# KiCad board MAXI030.kicad_pcb (continued)
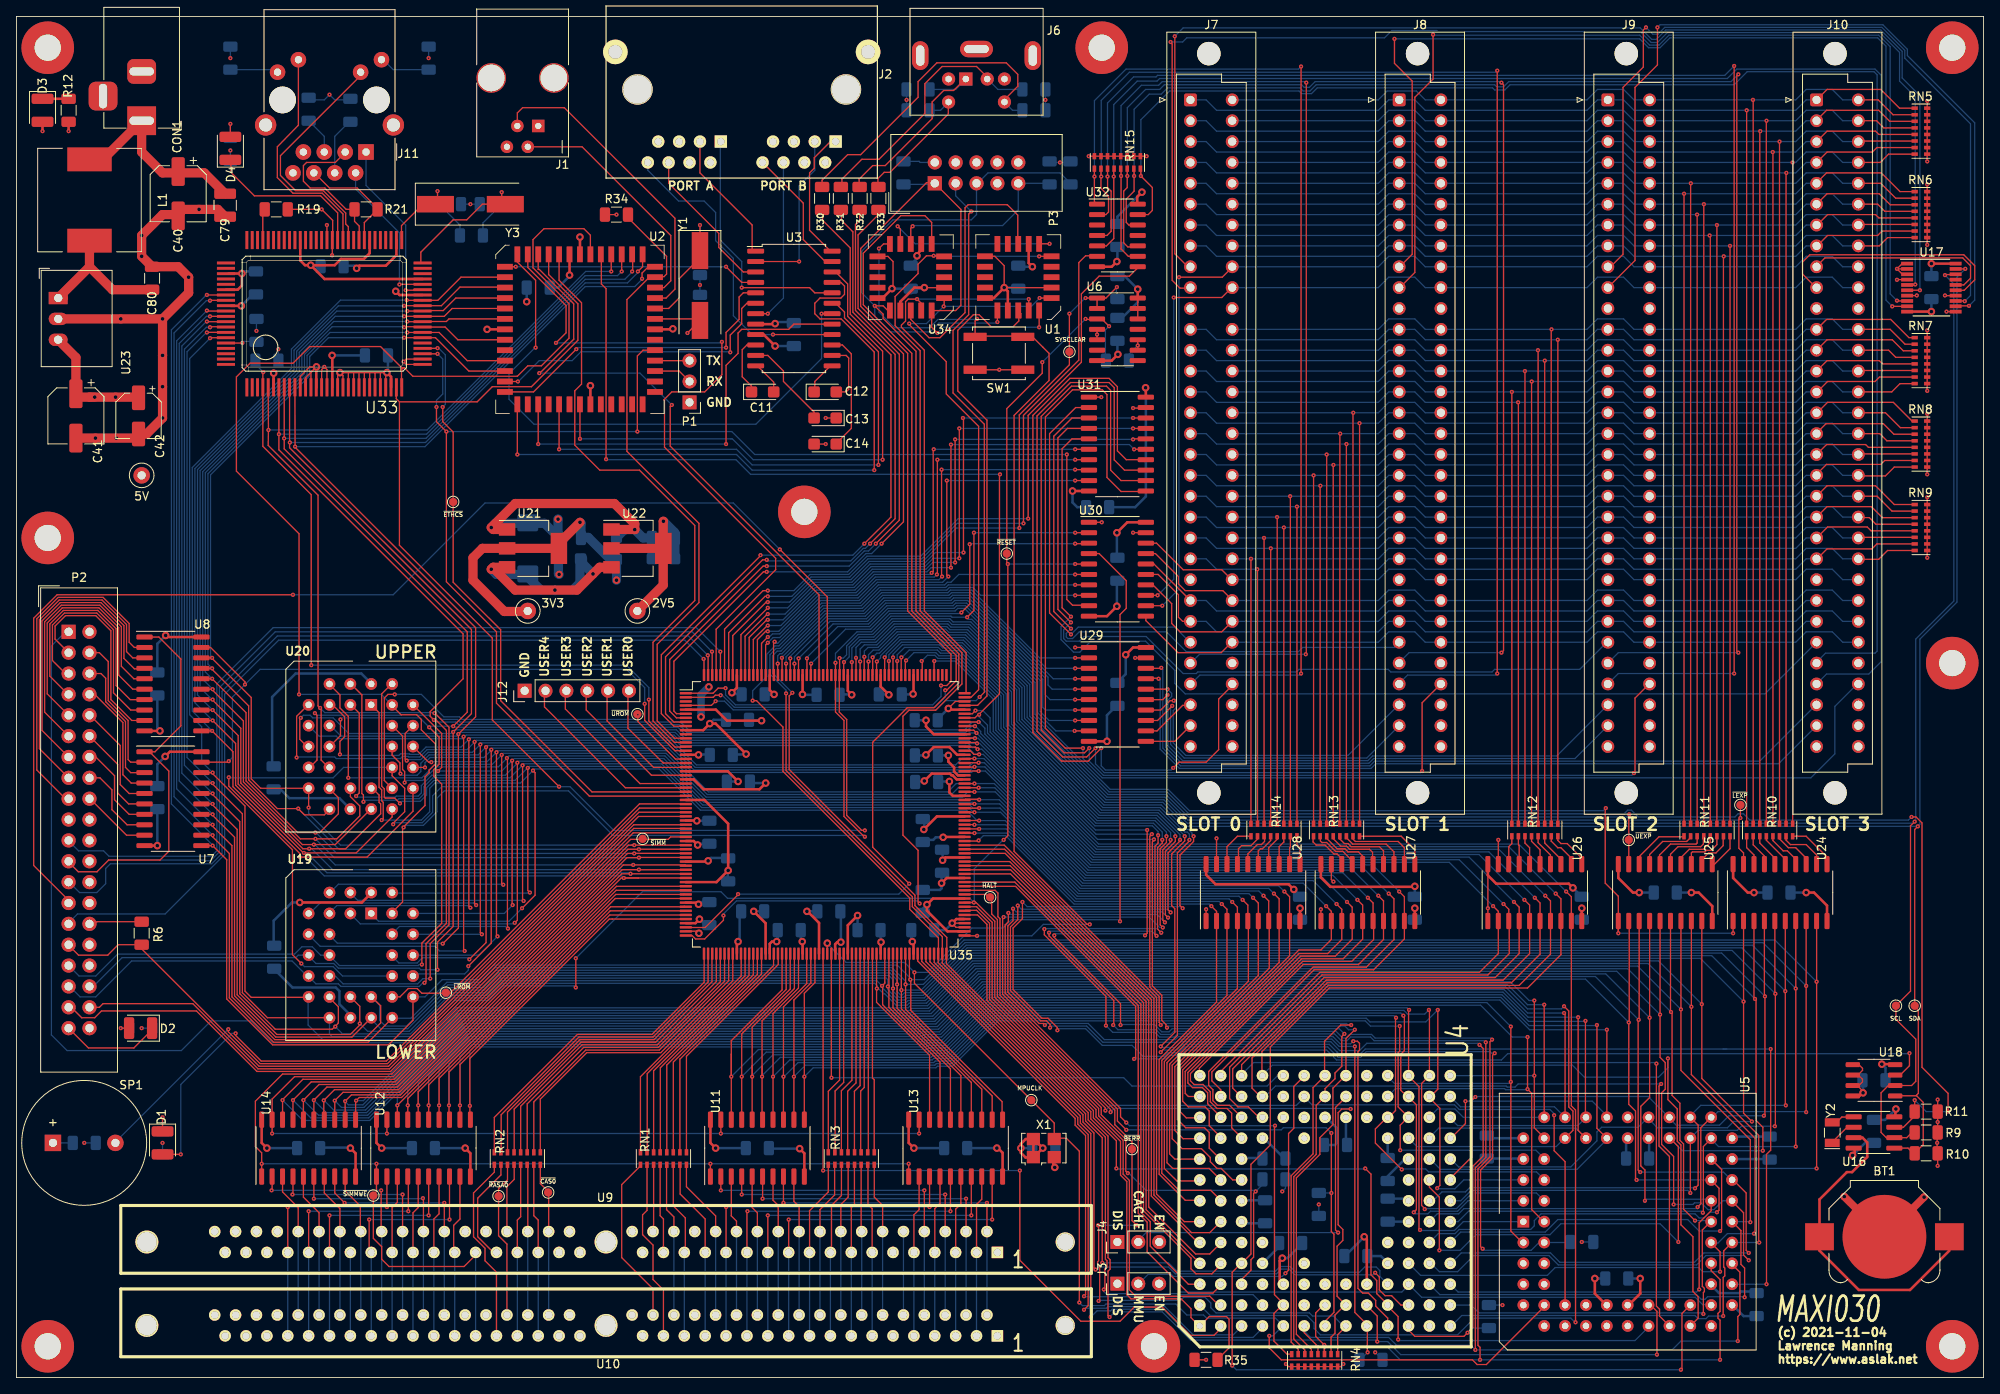
[diagram p0: board, top side]
## Routing (per net, layer and track width the routed paths; a pad name or vN(x,y) marks a point on that pad's centre or on a via; arc(x,y) is an arc through that point) (continued)
EXPD17: length 175
  Top w0.152: RN5.2 228.38,153.77 226.57,155.58 224.09,155.58 ; RN10.15 211.36,155.54 v1(211.33,155.58)
  Bottom w0.152: 224.16,155.58 222.25,155.58 220.98,156.84 217.81,156.84 216.53,155.58 v1(211.33,155.58) J9.c1 196.85,155.58 195.58,156.84 192.41,156.84 191.13,155.58 J8.c1 171.45,155.58 170.37,156.65 166.81,156.65 165.74,155.58 J7.c1
EXPD18: length 176.7
  Top w0.152: RN5.3 227.97,152.97 226.63,154.31 220.28,154.31 219.08,153.1 ; RN10.14 212.16,151.71 v1(212.22,151.77)
  Bottom w0.152: J7.a2 144.78,153.03 146.05,151.77 165.74,151.77 167,153.03 J8.a2 170.18,153.03 171.45,151.77 191.13,151.77 192.41,153.03 J9.a2 195.58,153.03 196.85,151.77 v1(212.22,151.77) 216.53,151.77 217.81,153.03 J10.a2
EXPD19: length 172.2
  Top w0.152: 224.09,153.03 226.38,153.03 227.25,152.16 RN5.4 ; RN10.13 212.96,153.02 v1(212.98,153.03)
  Bottom w0.152: J7.c2 165.74,153.03 167,154.31 170.18,154.31 171.45,153.03 J8.c2 191.13,153.03 192.41,154.31 195.58,154.31 196.85,153.03 J9.c2 v1(212.98,153.03) 216.53,153.03 217.81,154.31 220.98,154.31 222.25,153.03 224.16,153.03
EXPD20: length 173.8
  Top w0.152: RN5.5 226.65,151.37 226.25,151.77 220.34,151.77 J10.a3 ; RN10.12 213.76,149.21 v1(213.74,149.22)
  Bottom w0.152: J7.a3 144.78,150.5 146.05,149.22 165.74,149.22 167,150.5 J8.a3 170.18,150.5 171.45,149.22 191.13,149.22 192.41,150.5 J9.a3 195.58,150.5 196.85,149.22 v1(213.74,149.22) 216.53,149.22 217.81,150.5 J10.a3
EXPD21: length 169.6
  Top w0.152: 223.9,150.5 223.97,150.56 RN5.6 ; v1(214.57,150.5) 214.56,150.49 RN10.11
  Bottom w0.152: J7.c3 165.74,150.5 167,151.77 170.18,151.77 171.45,150.5 J8.c3 191.13,150.5 192.41,151.77 195.58,151.77 196.85,150.5 J9.c3 v1(214.57,150.5) 216.53,150.5 217.81,151.77 220.98,151.77 222.25,150.5 224.16,150.5
EXPD22: length 171.3
  Top w0.152: RN5.7 226.41,149.77 225.87,149.22 220.34,149.22 J10.a4 ; RN10.10 215.36,146.65 v1(215.39,146.69)
  Bottom w0.152: J7.a4 144.78,147.96 146.05,146.69 165.74,146.69 167,147.96 J8.a4 170.18,147.96 171.45,146.69 191.13,146.69 192.41,147.96 J9.a4 195.58,147.96 196.85,146.69 v1(215.39,146.69) 216.53,146.69 217.81,147.96 J10.a4
EXPD23: length 167.3
  Top w0.152: RN5.8 227.83,148.97 226.82,147.96 224.03,147.96 ; RN10.9 216.16,147.95 v1(216.15,147.96)
  Bottom w0.152: 224.16,147.96 222.25,147.96 220.98,149.22 217.81,149.22 216.53,147.96 v1(216.15,147.96) J9.c4 196.85,147.96 195.58,149.22 192.41,149.22 191.13,147.96 J8.c4 171.45,147.96 170.18,149.22 167,149.22 165.74,147.96 J7.c4
EXPD24: length 169.5
  Top w0.152: RN11.16 202.94,144.14 v1(202.95,144.15) ; RN6.1 229.23,144.41 226.95,146.69 220.28,146.69 219.01,145.41
  Bottom w0.152: J10.a5 217.81,145.41 216.53,144.15 v1(202.95,144.15) 196.85,144.15 195.58,145.41 J9.a5 192.41,145.41 191.13,144.15 171.45,144.15 170.18,145.41 J8.a5 167,145.41 165.74,144.15 146.05,144.15 144.78,145.41 J7.a5
EXPD25: length 165.1
  Top w0.152: RN11.15 203.74,145.38 v1(203.77,145.41) ; 224.03,145.41 226.89,145.41 228.7,143.6 RN6.2
  Bottom w0.152: 224.16,145.41 222.25,145.41 220.98,146.69 217.81,146.69 216.53,145.41 v1(203.77,145.41) J9.c5 196.85,145.41 195.58,146.69 192.41,146.69 191.13,145.41 J8.c5 171.45,145.41 170.18,146.69 167,146.69 165.74,145.41 J7.c5
EXPD26: length 166.6
  Top w0.152: RN6.3 228.03,142.81 226.69,144.15 220.34,144.15 J10.a6 ; v1(204.53,141.6) 204.54,141.6 RN11.14
  Bottom w0.152: J10.a6 217.81,142.88 216.53,141.6 v1(204.53,141.6) 196.85,141.6 195.58,142.88 J9.a6 192.41,142.88 191.13,141.6 171.45,141.6 170.18,142.88 J8.a6 167,142.88 165.74,141.6 146.05,141.6 144.78,142.88 J7.a6
EXPD27: length 162.2
  Top w0.152: 224.03,142.88 226.5,142.88 227.37,142 RN6.4 ; v1(205.36,142.88) 205.34,142.86 RN11.13
  Bottom w0.152: 224.16,142.88 222.25,142.88 220.98,144.15 217.81,144.15 216.53,142.88 v1(205.36,142.88) J9.c6 196.85,142.88 195.58,144.15 192.41,144.15 191.13,142.88 J8.c6 171.45,142.88 170.18,144.15 167,144.15 165.74,142.88 J7.c6
EXPD28: length 163.7
  Top w0.152: v1(206.06,139.06) 206.14,138.98 RN11.12 ; RN6.5 226.65,141.21 226.25,141.6 220.41,141.6 219.08,140.27
  Bottom w0.152: J7.a7 144.78,140.34 146.05,139.06 165.74,139.06 167,140.34 J8.a7 170.18,140.34 171.45,139.06 191.13,139.06 192.41,140.34 J9.a7 195.58,140.34 196.85,139.06 v1(206.06,139.06) 216.53,139.06 217.81,140.34 J10.a7
EXPD29: length 159.1
  Top w0.152: 224.22,140.4 224.22,140.41 RN6.6 ; v1(206.95,140.34) 206.94,140.33 RN11.11
  Bottom w0.152: 224.16,140.34 222.25,140.34 220.98,141.6 217.81,141.6 216.53,140.34 v1(206.95,140.34) J9.c7 196.85,140.34 195.58,141.6 192.41,141.6 191.13,140.34 J8.c7 171.45,140.34 170.18,141.6 167,141.6 165.74,140.34 J7.c7
EXPD30: length 161.1
  Top w0.152: RN11.10 207.74,136.49 v1(207.77,136.53) ; 219.14,137.8 220.41,139.06 226.5,139.06 227.04,139.6 RN6.7
  Bottom w0.152: J10.a8 217.81,137.8 216.53,136.53 v1(207.77,136.53) 196.85,136.53 195.58,137.8 J9.a8 192.41,137.8 191.13,136.53 171.45,136.53 170.18,137.8 J8.a8 167,137.8 165.74,136.53 146.05,136.53 144.78,137.8 J7.a8
EXPD31: length 156.9
  Top w0.152: RN6.8 227.71,138.81 226.69,137.8 224.22,137.8 ; v1(208.53,137.8) 208.54,137.79 RN11.9
  Bottom w0.152: J7.c8 165.74,137.8 167,139.06 170.18,139.06 171.45,137.8 J8.c8 191.13,137.8 192.41,139.06 195.58,139.06 196.85,137.8 J9.c8 v1(208.53,137.8) 216.53,137.8 217.81,139.06 220.98,139.06 222.25,137.8 224.16,137.8
EXPMPUCLK: length 86.8
  Top w0.152: 137.45,99.03 U30.16 138.43,99.06 142.81,94.68 142.81,94.49
  Bottom w0.152: J10.a25 217.81,94.62 216.53,93.34 196.85,93.34 195.58,94.62 J9.a25 192.41,94.62 191.13,93.34 171.45,93.34 170.18,94.62 J8.a25 167,94.62 165.74,93.34 146.05,93.34 144.78,94.62 J7.a25
EXPRESET: length 92.5
  Top w0.152: U30.11 137.45,92.17 141.35,88.27 146.62,88.27 147.89,89.53
  Bottom w0.152: 224.16,89.53 222.25,89.53 220.98,90.81 217.81,90.81 216.53,89.53 J9.c27 196.85,89.53 195.58,90.81 192.41,90.81 191.13,89.53 J8.c27 171.45,89.53 170.18,90.81 167,90.81 165.74,89.53 J7.c27
EXPR~{W}: length 94.3
  Top w0.152: 137.54,96.52 U30.14 138.3,96.52 140.59,94.23 140.59,91.82 141.61,90.81 146.69,90.81 J7.c26
  Bottom w0.152: J7.c26 165.74,92.08 167,93.34 170.18,93.34 171.45,92.08 J8.c26 191.13,92.08 192.41,93.34 195.58,93.34 196.85,92.08 J9.c26 216.53,92.08 217.81,93.34 220.98,93.34 222.25,92.08 224.16,92.08
EXPSCLE0: length 151.8
  Top w0.152: v1(140.97,163.32) 140.97,136.84 142.56,135.25 J7.a9 ; 230,132.27 230.12,132.4 v1(231.65,132.4)
  Bottom w0.152: v1(231.65,132.4) 231.65,156.08 229.49,158.24 229.49,161.48 226.89,164.08 200.72,164.08 199.58,162.94 199.01,162.94 197.61,164.34 141.99,164.34 v1(140.97,163.32)
EXPSCLE1: length 124.7
  Top w0.152: J8.a9 168.34,135.25 169.86,136.78 169.86,157.86 167.7,160.02 v1(167.7,163) ; v1(228.28,130.43) 230.5,130.43
  Bottom w0.152: v1(167.7,163) 197.55,163 198.63,161.93 200.03,161.93 201.23,163.13 226.5,163.13 227.52,162.12 227.52,131.19 v1(228.28,130.43)
EXPSCLE2: length 99.8
  Top w0.152: U17.13 237.08,131.09 v1(237.11,131.06) ; v1(198.31,164.4) 197.99,164.08 197.99,159.58 195.52,157.1 195.52,136.78 193.8,135.06
  Bottom w0.152: v1(198.31,164.4) 199.14,163.58 199.77,163.58 200.6,164.4 227.01,164.4 229.81,161.61 229.81,160.66 237.81,152.65 237.81,131.76 v1(237.11,131.06)
EXPSCLE3: length 23.3
  Top w0.152: U17.16 236.99,133.04 237.81,133.86 237.81,135.38 236.86,136.33 220.09,136.33 219.01,135.25
EXPSDAE0: length 153.3
  Top w0.152: v1(231.08,133.1) 231.02,133.04 230.09,133.04 ; v1(140.46,162.62) 140.46,162.57 140.65,162.38 140.65,133.6 141.61,132.65 143,132.65
  Bottom w0.152: v1(231.08,133.1) 231.08,155.96 229.17,157.86 229.17,161.35 226.76,163.77 200.91,163.77 199.71,162.56 198.95,162.56 197.61,163.89 172.97,163.89 172.85,164.02 167.39,164.02 166.5,163.13 142.43,163.13 141.92,162.62 v1(140.46,162.62)
EXPSDAE1: length 122.4
  Top w0.152: 168.21,132.59 170.18,134.56 170.18,155.89 172.4,158.12 v1(172.4,163.51) ; v1(228.85,131.13) 228.89,131.09 230.09,131.09
  Bottom w0.152: v1(172.4,163.51) 172.47,163.45 197.55,163.45 198.75,162.24 199.9,162.24 201.1,163.45 226.63,163.45 228.03,162.05 228.03,131.95 v1(228.85,131.13)
EXPSDAE2: length 102.4
  Top w0.152: v1(199.71,164.4) 199.71,159.83 196.98,157.1 196.98,136.02 J9.a10 ; v1(237.62,130.49) 236.09,130.49
  Bottom w0.152: v1(199.71,164.4) 200.03,164.72 227.14,164.72 230.12,161.73 230.12,160.97 238.32,152.78 238.32,131.19 v1(237.62,130.49)
EXPSDAE3: length 30.3
  Top w0.152: U17.15 237.04,132.39 238.32,133.67 238.32,135.38 236.98,136.72 218.25,136.72 217.36,135.83 217.36,134.37 219.08,132.65
FC0: length 72.6
  Top w0.152: v1(129.92,9.91) 130.11,10.1 130.11,29.46 128.84,30.73 128.84,31.56 109.68,50.73 109.68,51.62
  Bottom w0.152: 151.64,8.95 150.5,10.1 141.73,10.1 141.48,9.84 129.98,9.84 v1(129.92,9.91)
FC1: length 73.2
  Top w0.152: 110.18,51.62 110.18,50.67 129.16,31.69 129.16,30.86 130.43,29.59 130.43,8.76 v1(129.92,8.26)
  Bottom w0.152: v1(129.92,8.26) 130.11,8.45 132.65,8.45 132.84,8.64 139.76,8.64 143.19,5.21 148.08,5.21 149.16,6.29
FC2: length 75.9
  Top w0.152: 110.68,51.56 110.68,50.64 129.48,31.85 129.48,30.99 130.75,29.72 v1(130.75,7.37)
  Bottom w0.152: U4.D1 151.64,6.03 150.5,4.89 143,4.89 139.57,8.32 133.35,8.32 133.16,8.13 131.51,8.13 v1(130.75,7.37)
HEADERTOCF: length 23.2
  Top w0.152: v1(109.07,140.18) 108.84,139.95 108.84,137.8
  Bottom w0.152: R27.2 125.73,145.28 ; 125.73,145.41 P3.9 121.92,142.18 120.02,140.27 109.16,140.27 v1(109.07,140.18)
IDEIRQ: length 95.6
  Top w0.152: 16,52.7 R6.2 15.24,52.2 29.53,37.91 45.29,37.91 75.71,68.33 81.28,68.33 ; 6.29,52.7 7.56,51.44 11.11,51.44 12.38,52.7 14.98,52.7
LED: length 89.1
  Top w0.152: 81.47,69.34 75.82,69.34 45.02,38.54 29.78,38.54 26.67,41.66 v1(26.67,41.91) ; v1(20,27.18) D1.2
  Bottom w0.152: v1(20,27.18) 20,35.69 26.23,41.91 v1(26.67,41.91)
MPUCLK: length 205.2
  Top w0.152: v1(152.46,5.08) 152.46,3.62 153.92,2.16 177.19,2.16 177.76,1.59 178.88,1.59 185.93,8.64 U5.11 ; v1(134.3,55.56) 134.3,92.9 135.06,93.66 135.06,97.03 131.76,100.33 U30.4 ; v1(109.28,49.34) 109.28,48.01 126.3,30.99 126.3,29.6 126.56,29.34 ; 126.43,29.15 127.77,29.15 129.35,27.56 v1(129.35,9.14) ; v2(98.68,52.9) 98.68,51.75
  Bottom w0.152: 154.11,6.29 152.91,5.08 v1(152.46,5.08) ; 154.31,6.16 153.23,7.24 144.84,7.24 144.46,7.62 142.43,7.62 141.1,8.95 132.59,8.95 132.4,8.76 129.73,8.76 v1(129.35,9.14) ; v2(98.68,52.9) 98.68,52.83 100.97,50.55 108.08,50.55 v1(109.28,49.34) 110.87,49.34 116.27,54.74 120.08,54.74 121.09,55.75 134.11,55.75 v1(134.3,55.56)
PS2ACLK: length 84.5
  Top w0.152: v1(105.28,101.54) 107.95,104.2 107.95,124.65 102.43,130.18 102.43,139.13 104.84,141.54 104.84,142.62 ; 104.84,142.05 104.71,142.18 ; v1(91.31,98.11) 90.9,98.11 80.01,87.22 80.01,81.15 80.33,80.83 U35.6
  Bottom w0.152: v1(105.28,101.54) 104.08,100.33 103.38,100.33 101.16,98.11 v1(91.31,98.11)
PS2ADATA: length 83.9
  Top w0.152: v1(104.58,101.54) 107.44,104.39 107.44,124.6 102.11,129.93 102.11,140.4 102.62,140.91 102.62,142.49 ; v1(91.31,98.81) 90.87,98.81 79.5,87.44 79.5,81.15 80.33,80.33 81.28,80.33
  Bottom w0.152: v1(104.58,101.54) 103.7,100.65 103.19,100.65 101.35,98.81 v1(91.31,98.81)
PS2BCLK: length 86.9
  Top w0.152: v1(103.19,101.54) 106.43,104.78 106.43,124.52 101.47,129.48 101.47,137.54 98.11,140.91 98.11,142.68 ; 81.28,79.31 80.01,79.31 78.49,80.84 78.49,88.01 90.55,100.08 v1(90.55,100.14)
  Bottom w0.152: v1(103.19,101.54) 101.79,100.14 v1(90.55,100.14)
PS2BDATA: length 85.3
  Top w0.152: 81.34,79.82 80.01,79.82 78.99,80.84 78.99,87.76 90.81,99.57 v1(91.31,99.57) ; 100.39,142.43 100.39,140.91 101.79,139.51 101.79,129.73 106.93,124.59 106.93,104.58 v1(103.89,101.54)
  Bottom w0.152: v1(103.89,101.54) 103.31,100.97 103.06,100.97 101.54,99.44 91.44,99.44 v1(91.31,99.57)
RESET: length 184.5
  Top w0.152: v1(75.57,115.19) 75.57,124.4 76.26,125.09 U2.38 ; 81.34,70.8 69.72,70.8 58.42,82.11 58.42,90.81 52.32,96.9 v1(52.32,115.19) 51.12,116.4 v1(51.12,118.17) ; v1(127.83,112.4) 127.83,94.74 128.52,94.04 130.49,94.04 ; v1(51.24,124.65) 49.47,124.65
  Bottom w0.152: 127.89,112.33 v1(127.83,112.4) 89.85,112.4 87.06,115.19 v1(75.57,115.19) v1(52.32,115.19) ; v1(51.12,118.17) 51.12,119 51.88,119.76 51.88,124.02 v1(51.24,124.65)
RTCSQWAVE: length 195.4
  Top w0.152: U18.7 229.64,30.48 230.99,31.83 230.99,32.44 ; v1(231.01,33.78) 231.01,32.45 231.08,32.39 ; v1(100.71,87.12) 100.68,87.09 U35.206 ; v1(230.63,68.26) 231.17,68.26 231.9,67.53 231.9,37.78 235.08,34.61 v1(235.08,32.39)
  Bottom w0.152: v1(231.01,33.78) 232.41,32.39 v1(235.08,32.39) ; v1(100.71,87.12) 101.35,87.76 101.35,88.96 102.55,90.17 104.33,90.17 106.55,92.39 113.6,92.39 113.98,92.01 116.14,92.01 123.63,84.52 123.63,80.65 132.97,71.31 140.02,71.31 142.68,68.64 195.64,68.64 196.09,69.09 196.53,69.09 197.36,68.26 209.14,68.26 209.52,68.64 210.19,68.64 210.95,67.88 230.25,67.88 v1(230.63,68.26)
RTSA232: length 15.4
  Top w0.152: 99.06,137.16 96.52,139.7 96.52,146.69 97.09,147.26 97.09,148.53 99.06,150.5
RTSB232: length 30
  Top w0.152: 99.06,132.08 97.16,132.08 96.52,132.72 v1(88.27,132.72)
  Bottom w0.152: 85.66,150.56 85.66,138.49 88.27,135.89 v1(88.27,132.72)
RXA232: length 20.4
  Top w0.152: v1(91.44,129.54) 90.17,129.54
  Bottom w0.152: 93.34,147.89 93.34,131.44 v1(91.44,129.54)
RXB232: length 18.6
  Top w0.152: 79.31,147.96 79.38,147.89 79.38,145.41 85.47,139.32 85.47,137.6 88.46,134.62 89.97,134.62
R~{W}: length 215.2
  Top w0.152: 112.2,51.63 112.2,53.53 108.71,57.02 108.71,58.39 93.28,73.82 93.28,79.21 90.07,82.42 v1(89.6,82.42) ; 112.18,51.62 112.18,50.51 130.43,32.26 130.43,31.37 132.52,29.27 132.52,14.41 132.72,14.22 132.72,13.46 132.46,13.21 132.46,10.86 v1(132.33,10.73) ; U30.6 v1(128.84,97.79)
  Bottom w0.152: 206.25,8.89 205.2,8.89 204.31,9.78 171.01,9.78 U4.L3 ; v1(132.33,10.73) 132.33,10.48 132.59,10.22 141.35,10.22 141.54,10.41 168.59,10.41 169.35,11.18 ; v1(128.84,97.79) 114.68,97.79 113.73,96.84 113.28,96.84 112.97,96.52 104.9,96.52 102.68,94.3 97.99,94.3 92.79,89.09 92.33,89.09 91.31,88.07 91.31,85.34 89.6,83.63 v1(89.6,82.42)
SA0: length 18.7
  Top w0.152: RN3.16 104.4,21.97 105.41,20.95 U9.12
  Bottom w0.152: U10.12 U9.12
SA1: length 20.9
  Top w0.152: U9.13 104.14,20.57 103.63,21.08 103.63,25.78
  Bottom w0.152: U9.13 U10.13
SA2: length 18.3
  Top w0.152: RN3.14 102.8,17.85 U9.14
  Bottom w0.152: U10.14 U9.14
SA3: length 21
  Top w0.152: 101.98,25.91 101.98,21.08 101.6,20.7 U9.15
  Bottom w0.152: U9.15 U10.15
SA4: length 18.5
  Top w0.152: 101.22,25.78 101.22,21.97 100.33,21.08 U9.16
  Bottom w0.152: U10.16 U9.16
SA5: length 21.5
  Top w0.152: 99.19,15.11 99.19,20.95 100.4,22.17 RN3.11
  Bottom w0.152: U9.17 U10.17
SA6: length 18.9
  Top w0.152: U9.18 97.79,20.45 99.57,22.23 99.57,25.78
  Bottom w0.152: U10.18 U9.18
SA7: length 19.9
  Top w0.152: RN1.16 81.54,23.23 85.09,19.69 85.09,17.65
  Bottom w0.152: U10.28 U9.28
SA8: length 21.6
  Top w0.152: RN1.14 79.94,20.9 81.41,19.43 81.41,15.11
  Bottom w0.152: U10.31 U9.31
SA9: length 18.7
  Top w0.152: U9.32 80.01,19.56 79.12,20.45 79.12,25.91
  Bottom w0.152: U10.32 U9.32
SA10: length 21.8
  Top w0.152: RN3.9 98.8,22.6 96.52,20.32 U9.19
  Bottom w0.152: U9.19 U10.19
SA11: length 22.1
  Top w0.152: U9.29 83.82,19.3 80.77,22.35 80.77,25.91
  Bottom w0.152: U9.29 U10.29
SCL: length 263
  Top w0.152: R9.2 231.29,29.84 ; 230.68,29.84 230.05,29.21 227.56,29.21 226.92,29.84 226.92,34.67 227.81,35.56 U16.2 230.63,35.56 231.14,36.07 231.14,41.21 228.73,43.62 TP18.1 230.5,47.05 230.5,67.18 v1(231.01,67.69) ; U35.202 102.68,87.18 v1(102.68,87.19) ; 236.03,134.3 234.76,134.3 v1(234.7,134.24)
  Bottom w0.152: v1(102.68,87.19) 102.68,88.71 103.19,89.22 104.71,89.22 106.93,91.44 113.22,91.44 113.6,91.06 115.76,91.06 122.68,84.14 122.68,80.26 132.59,70.36 139.64,70.36 142.49,67.5 230.82,67.5 v1(231.01,67.69) 231.14,67.82 231.14,89.92 235.78,94.55 235.78,133.16 v1(234.7,134.24)
SDA: length 262.7
  Top w0.152: 230.94,27.2 230.2,27.94 U18.5 ; 228.45,34.26 228.5,34.32 231.24,34.32 231.2,34.35 ; R10.2 231.01,27.33 232.05,28.37 232.05,33.5 231.2,34.35 ; 231.2,34.35 231.46,34.61 231.46,44.77 231.01,45.21 231.01,66.74 v1(231.39,67.12) 231.52,66.99 ; v1(237.17,135) 237.16,134.99 U17.19 ; v1(103.19,87.76) 103.18,87.74 U35.201
  Bottom w0.152: v1(103.19,87.76) 103.19,88.46 103.63,88.9 104.84,88.9 107.06,91.12 113.09,91.12 113.47,90.74 115.63,90.74 122.36,84.01 122.36,80.14 132.46,70.04 139.51,70.04 142.43,67.12 v1(231.39,67.12) 231.65,67.37 231.65,89.92 236.16,94.42 236.16,133.99 v1(237.17,135)
SIZ0: length 88.5
  Top w0.152: 111.18,51.62 111.18,50.62 129.79,32 129.79,31.12 131.13,29.78 131.13,13.34 v1(131.32,13.14) ; 169.35,8.83 168.5,8.83 167.35,9.97 166.56,9.97 165.86,10.67 165.86,12.26 v1(165.35,12.76)
  Bottom w0.152: v1(131.32,13.14) 131.64,13.46 140.21,13.46 141.03,12.64 153.35,12.64 153.92,13.21 154.88,13.21 155.57,12.51 165.1,12.51 v1(165.35,12.76)
SIZ1: length 83.6
  Top w0.152: U4.K3 166.88,11.87 ; v1(132.14,13.97) 132.14,29.21 130.11,31.24 130.11,32.13 111.7,50.55 111.7,51.24 111.63,51.31
  Bottom w0.152: U4.K3 165.93,12.32 165.93,13.02 165.48,13.46 164.08,13.46 163.45,12.83 155.7,12.83 155,13.53 153.8,13.53 153.23,12.95 141.22,12.95 140.21,13.97 v1(132.14,13.97)
SYSCLEAR: length 83.4
  Top w0.152: 131.51,130.11 131.51,130.11 U6.1 132.59,131.44 v1(133.92,132.78) ; v1(91.44,94.42) 91.25,94.42 87.18,90.35 87.18,85.54 ; v1(128.14,129.54) 128.14,123.32 122.05,117.22 v1(122.05,103.44) ; v1(130.11,131.44) 131.25,131.44
  Bottom w0.152: v1(128.14,129.54) 130.05,131.44 v1(130.11,131.44) ; v1(133.92,132.78) 133.86,132.72 133.86,131.32 ; v1(91.44,94.42) 94.11,94.42 96.84,97.16 101.55,97.16 103.77,99.38 110.3,99.38 114.36,103.44 v1(122.05,103.44)
TCK: length 148.1
  Top w0.152: 124.4,129.92 124.46,129.86 v1(124.46,127.89) ; v1(112.08,127.19) 111.38,127.89 U34.3 114.3,129.92 114.94,130.56 114.94,142.24 111.7,145.48 111.51,145.48 ; U35.1 84.78,83.33 85.39,83.95 v1(86.3,83.95) ; v1(112.52,84.26) 113.22,84.26 113.73,84.77 113.73,88.07 108.46,93.34 108.46,124.71 102.74,130.43 102.74,137.48 110.74,145.48 112.2,145.48
  Bottom w0.152: v1(112.08,127.19) 112.78,127.89 v1(124.46,127.89) ; v1(112.52,84.26) 112.52,82.93 111.51,81.91 87.5,81.91 86.3,83.12 v1(86.3,83.95) ; 107.57,145.16 107.7,145.29 111.76,145.29
TEMPALERT: length 132.9
  Top w0.152: 228.47,36.83 229.24,36.83 230.38,37.97 v1(230.38,39.5) ; U35.133 118.5,59.83 118.53,59.81 121.59,59.81 136.21,45.19 136.21,38.99 v1(136.02,38.8)
  Bottom w0.152: v1(136.02,38.8) 139.89,38.8 140.34,39.24 141.67,39.24 142.3,39.88 159.45,39.88 160.66,38.67 180.72,38.67 181.48,39.43 230.31,39.43 v1(230.38,39.5)
TMS: length 172.3
  Top w0.152: U1.19 v1(119.38,128.52) ; v1(108.65,60.13) 104.2,64.58 104.2,77.36 108.41,81.56 111.66,81.56 114.68,84.58 114.68,88.14 109.47,93.34 109.47,124.97 105.47,128.97 105.47,129.48 v1(104.46,130.49) 105.47,130.49 106.24,129.73 ; 81.85,54.8 83.82,54.8 87.82,58.8 v1(87.82,58.86)
  Bottom w0.152: R26.2 128.27,145.28 ; 128.27,145.41 127,146.69 118.24,146.69 116.84,145.29 ; v1(108.65,60.13) 107.38,58.86 v1(87.82,58.86) ; 116.84,145.54 116.84,141.6 116.21,140.97 106.68,140.97 102.87,137.16 102.87,132.08 v1(104.46,130.49) 104.46,129.22 106.36,127.32 111.19,127.32 112.27,128.4 119.25,128.4 v1(119.38,128.52)
TXA232: length 20.7
  Top w0.152: 89.97,135.89 v1(95.25,135.89)
  Bottom w0.152: 97.16,149.86 97.16,147 95.25,145.1 ; 95.25,144.53 95.25,145.1 ; 95.25,145.1 v1(95.25,135.89) ; 97.16,150.43 97.22,150.5
TXB232: length 16
  Top w0.152: J2.B3 83.19,146.69 89.54,140.34 89.54,137.16
~{AS}: length 220.9
  Top w0.152: v1(199.64,2.79) 199.64,8.06 198.75,8.95 ; v1(133.03,7.37) 132.84,7.56 132.84,12.95 133.1,13.21 133.1,14.35 132.84,14.61 132.84,29.4 130.75,31.5 130.75,32.39 112.68,50.46 112.68,53.7 109.03,57.34 109.03,58.55 93.66,73.91 v1(93.66,83.31) ; v1(165.61,4.38) 165.61,7.49 164.34,8.76 U4.J2 ; v1(128.84,96.52) U30.7
  Bottom w0.152: v1(199.64,2.79) 168.47,2.79 166.88,4.38 v1(165.61,4.38) 165.42,4.57 142.88,4.57 139.45,8 133.67,8 v1(133.03,7.37) ; v1(93.66,83.31) 93.66,83.69 91.69,85.66 91.69,88.01 92.46,88.77 92.9,88.77 98.11,93.98 102.81,93.98 105.03,96.2 113.09,96.2 113.41,96.52 v1(128.84,96.52)
~{AVEC}: length 159.6
  Top w0.152: RN4.8 154.62,2.86 153.04,4.45 153.04,7.81 154.11,8.89 ; U4.E2 154.18,9.02 153.1,10.1 153.1,30.61 v1(153.16,30.67) ; v1(106.68,87.69) 106.68,87.69 U35.194 ; v1(120.71,56.58) 120.71,55.5 120.33,55.12 120.33,46.8 134.37,32.77 134.37,31.75 v1(135.06,31.05) ; v1(140.46,65.47) 140.46,65.21 139.51,64.26 139.51,55.69 v1(139.76,55.44)
  Bottom w0.152: v1(140.46,65.47) 140.46,66.36 138.68,68.14 131.64,68.14 120.46,79.31 120.46,83.25 114.87,88.84 112.71,88.84 112.33,89.22 107.82,89.22 106.68,88.07 v1(106.68,87.69) ; v1(153.16,30.67) 135.45,30.67 v1(135.06,31.05) ; v1(120.71,56.58) 120.9,56.39 138.81,56.39 v1(139.76,55.44)
~{BERRE}: length 86.3
  Top w0.152: 86.18,85.54 86.18,91.13 90.87,95.82 v1(91.44,95.82) ; v1(123.13,104.58) 123.13,117.16 129.6,123.63 129.6,131.95 131.76,134.11 135.45,134.11 136.46,135.13
  Bottom w0.152: v1(123.13,104.58) 114.62,104.58 110.05,100.01 103.51,100.01 101.28,97.79 96.58,97.79 94.62,95.82 v1(91.44,95.82)
~{BERR}: length 101.5
  Top w0.152: 161.67,6.1 160.79,5.21 RN4.1 ; v1(136.33,18.54) 135.76,19.11 135.76,28.7 133.67,30.8 133.67,32.58 119.7,46.55 119.7,55.87 119.44,56.12 119.44,58.99 119.11,59.33 U35.132 ; v1(131.7,9.33) 131.83,9.46 131.83,13.59 131.57,13.84 131.57,14.1 131.7,14.22 131.7,18.48 v1(131.64,18.54)
  Bottom w0.152: U4.H1 161.48,6.29 160.27,7.49 157.73,7.49 157.35,7.87 145.99,7.87 145.35,8.51 145.35,9.08 144.65,9.78 142.05,9.78 141.67,9.4 131.76,9.4 v1(131.7,9.33) ; v1(136.33,18.54) v1(131.64,18.54)
~{BGACK}: length 71.8
  Top w0.152: v1(135.25,24.89) 135,25.15 135,29.02 132.02,32 132.02,32.89 118.75,46.16 118.75,55.44 116.85,57.33 U35.128 ; v1(150.81,22.67) 150.56,22.42 150.56,14.67 150.24,14.35 150.24,13.08 149.1,11.94 U4.C3
  Bottom w0.152: R36.2 151.63,23.49 v1(150.81,22.67) 150.69,22.8 137.48,22.8 135.38,24.89 v1(135.25,24.89)
~{BG}: length 67.1
  Top w0.152: 115.51,56.9 116.84,56.9 118.43,55.31 118.43,46.04 131.7,32.77 131.7,31.88 134.68,28.89 134.68,24.77 135.45,24 135.45,10.67 136.21,9.91 145.22,9.91 146.3,8.83 U4.B2
~{BR}: length 76.3
  Top w0.152: U35.126 116.96,56.33 118.11,55.18 118.11,45.91 131.38,32.64 131.38,31.75 134.37,28.77 134.37,24.64 135.13,23.88 135.13,10.1 135.64,9.59 141.73,9.59 142.94,8.38 142.94,7.3 144.02,6.22 ; U4.A1 145.16,7.43 147.26,7.43 147.57,7.11 147.57,3.62 146.05,2.1
~{CAS0}: length 18.5
  Top w0.152: RN2.16 63.76,23.62 64.77,22.61 64.77,18.03
  Bottom w0.152: U9.40 U10.40
~{CAS1}: length 21
  Top w0.152: U9.43 60.96,19.18 61.36,19.58 RN2.13
  Bottom w0.152: U9.43 U10.43
~{CAS2}: length 20.9
  Top w0.152: RN2.15 62.96,19.72 63.5,19.18 63.5,15.37
  Bottom w0.152: U9.41 U10.41
~{CAS3}: length 18.3
  Top w0.152: U9.42 62.23,25.91
  Bottom w0.152: U10.42 U9.42
~{CBACK}: length 175.8
  Top w0.152: U4.J1 164.34,6.48 162.88,7.94 v1(162.88,40.32) ; v1(105.66,87.69) 105.66,85.6 ; v1(121.86,57.47) 121.86,55.75 120.97,54.86 120.97,47.12 124.65,43.43 125.35,43.43 125.79,42.99 v1(125.79,42.61) ; v1(140.46,56.64) 140.14,56.96 140.14,63.88 141.61,65.34 v1(141.61,65.47) ; 164.34,6.35 164.4,6.29 164.4,3.11 v1(164.44,3.07)
  Bottom w0.152: v1(140.46,56.64) 140.08,57.02 122.3,57.02 v1(121.86,57.47) ; v1(141.61,65.47) 141.61,66.1 138.94,68.77 131.89,68.77 121.09,79.57 121.09,83.5 115.13,89.47 112.97,89.47 112.59,89.85 107.57,89.85 105.85,88.14 105.85,87.88 v1(105.66,87.69) ; v1(162.88,40.32) 160.97,40.32 160.08,41.21 141.57,41.21 141.19,40.83 132.21,40.83 130.24,42.8 125.98,42.8 v1(125.79,42.61) ; v1(164.44,3.07) 163.53,2.16 163.45,2.16
~{CBREQ}: length 173
  Top w0.152: U4.K1 166.88,7.24 165.42,8.7 165.42,9.4 164.53,10.29 163.83,10.29 163.26,10.86 163.26,39.69 163.45,39.88 163.45,40.7 163.19,40.96 v1(162.69,40.96) ; v1(141.03,65.91) 141.03,65.28 139.83,64.07 139.83,56.32 v1(140.14,56.01) ; v1(125.16,42.93) 124.97,43.12 124.46,43.12 120.65,46.93 120.65,54.99 121.28,55.63 v1(121.28,57.09) ; U35.195 106.18,87.25 v1(106.17,87.25)
  Bottom w0.152: v1(140.14,56.01) 139.45,56.71 121.67,56.71 v1(121.28,57.09) ; v1(125.16,42.93) 125.35,43.12 130.43,43.12 132.4,41.15 141.03,41.15 141.41,41.53 160.21,41.53 161.1,40.64 162.37,40.64 v1(162.69,40.96) ; v1(106.17,87.25) 106.17,88.01 107.7,89.53 112.46,89.53 112.84,89.15 115,89.15 120.78,83.38 120.78,79.44 131.76,68.45 138.81,68.45 141.03,66.23 v1(141.03,65.91)
~{CDIS}: length 42.6
  Top w0.152: v1(160.85,17.65) 160.53,17.97 160.53,32.89 161.93,34.29
  Bottom w0.152: v1(160.85,17.65) 137.48,17.65 136.53,16.7 J4.2 136.91,16.51
~{CIIN}: length 167.1
  Top w0.152: v1(178.05,40.51) 178.5,40.07 178.5,26.99 177.23,25.72 177.23,6.1 v1(176.59,5.46) 176.15,5.02 170.18,5.02 169.42,5.78 U4.L1 ; v1(142.18,65.91) 142.18,65.34 140.59,63.75 140.59,57.47 140.97,57.09 140.97,42.04 v1(139.26,40.32) ; U35.198 104.68,87.15 v1(104.71,87.19)
  Bottom w0.152: v1(178.05,40.51) 177.86,40.7 164.34,40.7 163.45,39.81 161.04,39.81 159.96,40.89 141.7,40.89 141,40.2 139.38,40.2 v1(139.26,40.32) ; v1(142.18,65.91) 142.18,65.98 139.06,69.09 132.05,69.09 121.41,79.72 121.41,83.63 115.25,89.79 113.09,89.79 112.71,90.17 107.44,90.17 105.16,87.88 105.16,87.63 v1(104.71,87.19) ; v1(176.59,5.46) 177.16,6.03 R8.2
